# KiCad board KLST_CATERPILLAR.kicad_pcb (continued)
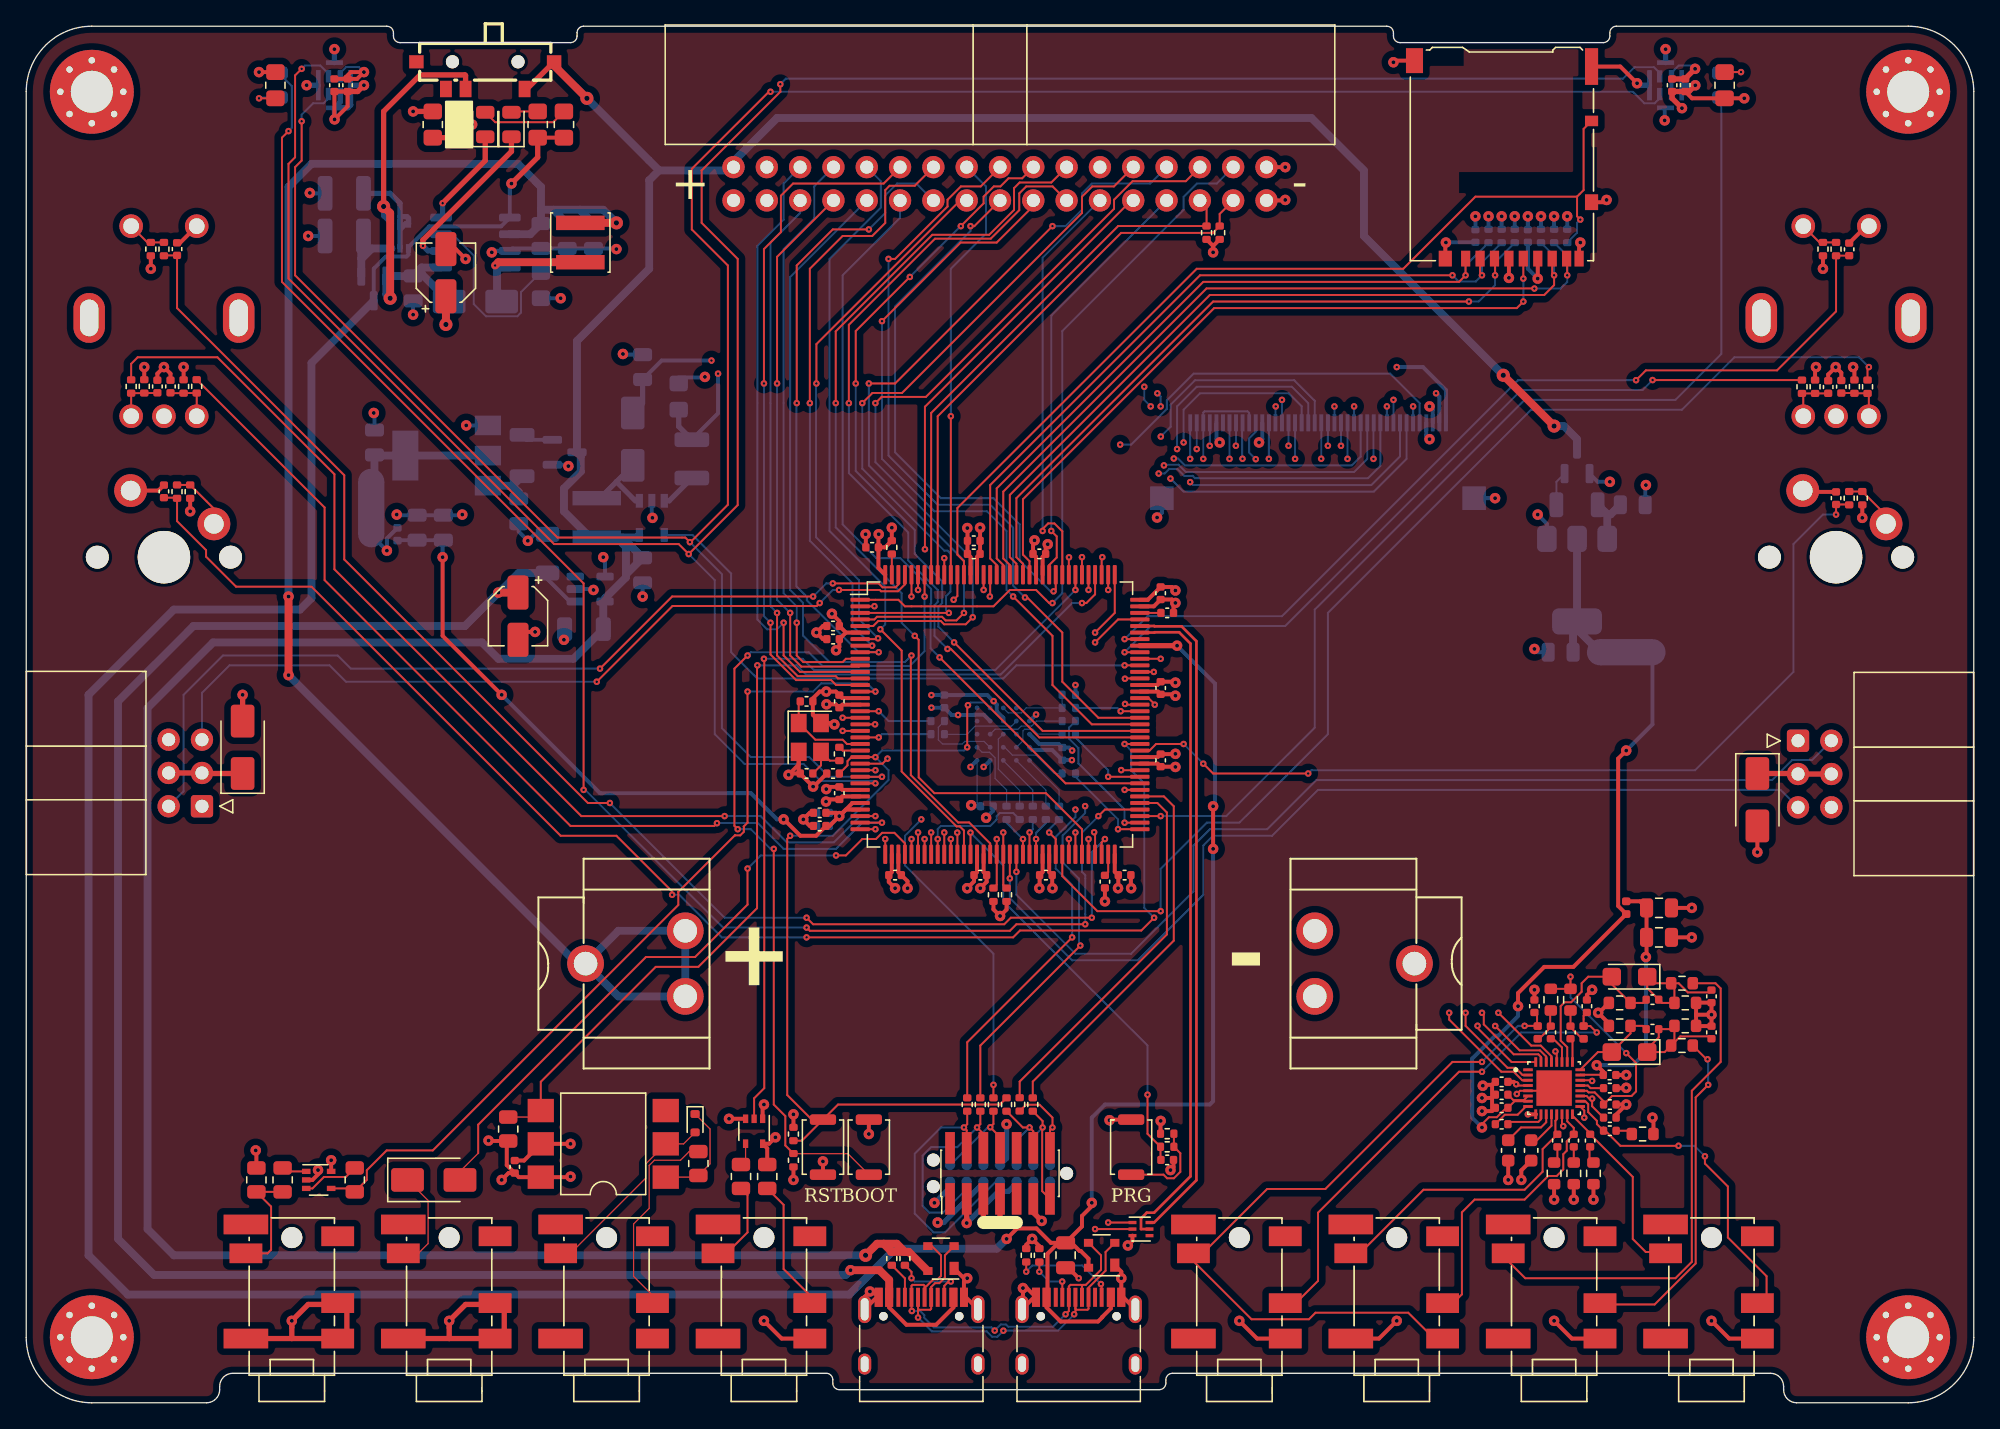
[diagram p0: board, top side]
## Library data of the parts (continued)
U8 = -: Datasheet: http://www.ti.com/lit/ds/symlink/tps2041.pdf; JLCPCB: C51386; ki_fp_filters: SOT?23*
U9 = -: Datasheet: https://www.ti.com/lit/ds/symlink/tlv9001.pdf; JLCPCB: C398362; ki_fp_filters: SOT*353*SC*70*
U10 U11 = -: JLCPCB: C2688664; ki_fp_filters: MP34DT05TR-A_STM
U12 = -: Datasheet: https://www.infineon.com/dgdl/Infineon-S70KL1282_S70KS1282_3.0_V_1.8_V_128_Mb_(16_MB)_HYPERBUS_INTERFACE_HYPERRAM_(SELF-REFRESH_DRAM)-DataSheet-v02_00-EN.pdf?fileId=8ac78c8c7d0d8da4017d0ee9315b7210; Description: S70KL1282GABHV020; JLCPCB: C7428856
U13 = -: JLCPCB: C323845
U14 = -: Datasheet: http://www.advanced-monolithic.com/pdf/ds1117.pdf; Description: 1A Low Dropout regulator, positive, 1.8V fixed output, SOT-223; JLCPCB: C6185; ki_fp_filters: SOT?223*TabPin2*
Y1 = -: Datasheet: https://datasheet.lcsc.com/szlcsc/Yangxing-Tech-X322516MLB4SI_C13738.pdf; Description: 9pF; JLCPCB: C13738; ki_fp_filters: Crystal*

## Footprints (pads in the part's own frame, mm; a bottom-side part is the same pattern mirrored in y, then rotated)
BGA24C100P5X5_600X800X100
  round 0.37 smd: A2(-1,2) A3(0,2) A4(1,2) A5(2,2) B1(-2,1) B2(-1,1) B3(0,1) B4(1,1) B5(2,1) C1(-2,0) C2(-1,0) C3(0,0) C4(1,0) C5(2,0) D1(-2,-1) D2(-1,-1) D3(0,-1) D4(1,-1) D5(2,-1) E1(-2,-2) E2(-1,-2) E3(0,-2) E4(1,-2) E5(2,-2)
C_0402_1005Metric
  rrect 0.56x0.62 smd: 1(-0.48,0) 2(0.48,0)
C_0603_1608Metric
  rrect 0.9x0.95 smd: 1(-0.775,0) 2(0.775,0)
C_0805_2012Metric
  rrect 1x1.45 smd: 1(-0.95,0) 2(0.95,0)
C_1206_3216Metric
  rrect 1.15x1.8 smd: 1(-1.475,0) 2(1.475,0)
CONN-SMD_40P-P0.50-H_THD0525-40CL-GF
  rect 0.3x1.3 smd: 1(-9.75,2.875) 2(-9.25,2.875) 3(-8.75,2.875) 4(-8.25,2.875) 5(-7.75,2.875) 6(-7.25,2.875) 7(-6.75,2.875) 8(-6.25,2.875) 9(-5.75,2.875) 10(-5.25,2.875) 11(-4.75,2.875) 12(-4.25,2.875) 13(-3.75,2.875) 14(-3.25,2.875) 15(-2.75,2.875) 16(-2.25,2.875) 17(-1.75,2.875) 18(-1.25,2.875) 19(-0.75,2.875) 20(-0.25,2.875) 21(0.25,2.875) 22(0.75,2.875) 23(1.25,2.875) 24(1.75,2.875) 25(2.25,2.875) 26(2.75,2.875) 27(3.25,2.875) 28(3.75,2.875) 29(4.25,2.875) 30(4.75,2.875) 31(5.25,2.875) 32(5.75,2.875) 33(6.25,2.875) 34(6.75,2.875) 35(7.25,2.875) 36(7.75,2.875) 37(8.25,2.875) 38(8.75,2.875) 39(9.25,2.875) 40(9.75,2.875)
  rect 1.8x1.8 smd: SH(-11.9,-2.875) SH(11.9,-2.875)
CP_EIA-3216-18_Kemet-A
  rrect 1.4x1.35 smd: 1(-1.35,0) 2(1.35,0)
CP_Elec_4x5.4
  rrect 2.6x1.6 smd: 1(-1.8,0) 2(1.8,0)
Crystal_SMD_3225-4Pin_3.2x2.5mm
  rect 1.4x1.2 smd: 1(-1.1,-0.85) 2(1.1,-0.85) 3(1.1,0.85) 4(-1.1,0.85)
D_SMA
  rrect 2.5x1.8 smd: 1(-2,0) 2(2,0)
D_SOD-523
  rrect 0.6x0.7 smd: 1(-0.7,0) 2(0.7,0)
IDC-Header_2x03_P2.54mm_Horizontal
  rrect 1.7x1.7 hole 1: 1(0,0)
  round 1.7 hole 1: 2(2.54,0) 3(0,-2.54) 4(2.54,-2.54) 5(0,-5.08) 6(2.54,-5.08)
IDC-Header_2x17_P2.54mm_Horizontal
  round 1.7 hole 1: 1(0,0) 2(2.54,0) 3(0,-2.54) 4(2.54,-2.54) 5(0,-5.08) 6(2.54,-5.08) 7(0,-7.62) 8(2.54,-7.62) 9(0,-10.16) 10(2.54,-10.16) 11(0,-12.7) 12(2.54,-12.7) 13(0,-15.24) 14(2.54,-15.24) 15(0,-17.78) 16(2.54,-17.78) 17(0,-20.32) 18(2.54,-20.32) 19(0,-22.86) 20(2.54,-22.86) 21(0,-25.4) 22(2.54,-25.4) 23(0,-27.94) 24(2.54,-27.94) 25(0,-30.48) 26(2.54,-30.48) 27(0,-33.02) 28(2.54,-33.02) 29(0,-35.56) 30(2.54,-35.56) 31(0,-38.1) 32(2.54,-38.1) 33(0,-40.64) 34(2.54,-40.64)
L_0402_1005Metric
  rrect 0.59x0.64 smd: 1(-0.485,0) 2(0.485,0)
L_1206_3216Metric
  rrect 1.05x1.9 smd: 1(-1.575,0) 2(1.575,0)
L_Changjiang_FNR4030S
  rect 1.1x3.7 smd: 1(-1.5,0) 2(1.5,0)
LED_0805_2012Metric
  rrect 0.975x1.4 smd: 1(-0.938,0) 2(0.938,0)
LQFP-144_20x20mm_P0.5mm
  rrect 1.475x0.3 smd: 1(-10.662,8.75) 2(-10.662,8.25) 3(-10.662,7.75) 4(-10.662,7.25) 5(-10.662,6.75) 6(-10.662,6.25) 7(-10.662,5.75) 8(-10.662,5.25) 9(-10.662,4.75) 10(-10.662,4.25) 11(-10.662,3.75) 12(-10.662,3.25) 13(-10.662,2.75) 14(-10.662,2.25) 15(-10.662,1.75) 16(-10.662,1.25) 17(-10.662,0.75) 18(-10.662,0.25) 19(-10.662,-0.25) 20(-10.662,-0.75) 21(-10.662,-1.25) 22(-10.662,-1.75) 23(-10.662,-2.25) 24(-10.662,-2.75) 25(-10.662,-3.25) 26(-10.662,-3.75) 27(-10.662,-4.25) 28(-10.662,-4.75) 29(-10.662,-5.25) 30(-10.662,-5.75) 31(-10.662,-6.25) 32(-10.662,-6.75) 33(-10.662,-7.25) 34(-10.662,-7.75) 35(-10.662,-8.25) 36(-10.662,-8.75) 73(10.662,-8.75) 74(10.662,-8.25) 75(10.662,-7.75) 76(10.662,-7.25) 77(10.662,-6.75) 78(10.662,-6.25) 79(10.662,-5.75) 80(10.662,-5.25) 81(10.662,-4.75) 82(10.662,-4.25) 83(10.662,-3.75) 84(10.662,-3.25) 85(10.662,-2.75) 86(10.662,-2.25) 87(10.662,-1.75) 88(10.662,-1.25) 89(10.662,-0.75) 90(10.662,-0.25) 91(10.662,0.25) 92(10.662,0.75) 93(10.662,1.25) 94(10.662,1.75) 95(10.662,2.25) 96(10.662,2.75) 97(10.662,3.25) 98(10.662,3.75) 99(10.662,4.25) 100(10.662,4.75) 101(10.662,5.25) 102(10.662,5.75) 103(10.662,6.25) 104(10.662,6.75) 105(10.662,7.25) 106(10.662,7.75) 107(10.662,8.25) 108(10.662,8.75)
  rrect 0.3x1.475 smd: 37(-8.75,-10.662) 38(-8.25,-10.662) 39(-7.75,-10.662) 40(-7.25,-10.662) 41(-6.75,-10.662) 42(-6.25,-10.662) 43(-5.75,-10.662) 44(-5.25,-10.662) 45(-4.75,-10.662) 46(-4.25,-10.662) 47(-3.75,-10.662) 48(-3.25,-10.662) 49(-2.75,-10.662) 50(-2.25,-10.662) 51(-1.75,-10.662) 52(-1.25,-10.662) 53(-0.75,-10.662) 54(-0.25,-10.662) 55(0.25,-10.662) 56(0.75,-10.662) 57(1.25,-10.662) 58(1.75,-10.662) 59(2.25,-10.662) 60(2.75,-10.662) 61(3.25,-10.662) 62(3.75,-10.662) 63(4.25,-10.662) 64(4.75,-10.662) 65(5.25,-10.662) 66(5.75,-10.662) 67(6.25,-10.662) 68(6.75,-10.662) 69(7.25,-10.662) 70(7.75,-10.662) 71(8.25,-10.662) 72(8.75,-10.662) 109(8.75,10.662) 110(8.25,10.662) 111(7.75,10.662) 112(7.25,10.662) 113(6.75,10.662) 114(6.25,10.662) 115(5.75,10.662) 116(5.25,10.662) 117(4.75,10.662) 118(4.25,10.662) 119(3.75,10.662) 120(3.25,10.662) 121(2.75,10.662) 122(2.25,10.662) 123(1.75,10.662) 124(1.25,10.662) 125(0.75,10.662) 126(0.25,10.662) 127(-0.25,10.662) 128(-0.75,10.662) 129(-1.25,10.662) 130(-1.75,10.662) 131(-2.25,10.662) 132(-2.75,10.662) 133(-3.25,10.662) 134(-3.75,10.662) 135(-4.25,10.662) 136(-4.75,10.662) 137(-5.25,10.662) 138(-5.75,10.662) 139(-6.25,10.662) 140(-6.75,10.662) 141(-7.25,10.662) 142(-7.75,10.662) 143(-8.25,10.662) 144(-8.75,10.662)
microSD_HC_Hirose_DM3AT-SF-PEJM5
  rect 0.7x1.2 smd: 1(2.775,7.725) 2(1.675,7.725) 3(0.575,7.725) 4(-0.525,7.725) 5(-1.625,7.725) 6(-2.725,7.725) 7(-3.825,7.725) 8(-4.925,7.725) 9(-5.875,7.725)
  rect 1x0.8 smd: 10(-6.825,-2.775)
  rect 1x1.2 smd: 11(-6.825,3.425) 11(4.325,7.725)
  rect 1x2.8 smd: 11(-6.825,-6.925)
  rect 1.3x1.9 smd: 11(6.675,-7.375)
MK-12F03-G015
  round 1 hole 1 unplated: (-2.5,-1.037) (2.5,-1.037)
  rect 1.1x1 smd: 1(-5.25,-1.037) 3(5.25,-1.037)
  rect 0.9x1.25 smd: 1(-3,1.037) 2(1.5,1.037) 3(3,1.037)
MountingHole_3.2mm_M3_Pad_Via
  round 0.8 hole 0.5: 1(-2.4,0) 1(-1.697,1.697) 1(-1.697,-1.697) 1(0,2.4) 1(0,-2.4) 1(1.697,1.697) 1(1.697,-1.697) 1(2.4,0)
  round 6.4 hole 3.2: 1(0,0)
MP34DT05TR-A_STM
  rect 0.406x0.94 smd: 1(-0.45,0.675) 2(-0.45,-0.675) 3(0.45,-0.675) 4(0.45,0.675)
  rect 0.356x2.311 smd: 5(-1.225,0) 5(1.225,0)
  rect 1.295x0.356 smd: 5(0,-1.725) 5(0,1.725)
MY-18650-01
  round 2.8 hole 1.8: 1(-3.8,0) 1(3.799,2.5) 1(3.8,-2.5)
NetTie-2_SMD_Pad2.0mm
  round 2 smd: 1(-2,0) 2(2,0)
PEC11R-4015F-S0024
  oval 2.4x3.8 hole 1.4x2.8: (-5.7,0.25) (5.7,0.25)
  round 1.8 hole 1.2: A(-2.5,-7.25) B(2.5,-7.25) C(0,-7.25) S1(-2.5,7.25) S2(2.5,7.25)
PinHeader_2x07_P1.27mm_Vertical_SMD
  rect 2.4x0.74 smd: 1(-1.95,3.81) 2(1.95,3.81) 3(-1.95,2.54) 4(1.95,2.54) 5(-1.95,1.27) 6(1.95,1.27) 7(-1.95,0) 8(1.95,0) 9(-1.95,-1.27) 10(1.95,-1.27) 11(-1.95,-2.54) 12(1.95,-2.54) 13(-1.95,-3.81) 14(1.95,-3.81)
PJ-316A-6A
  round 1.6 hole 1.6 unplated: (0,-3.35)
  rect 2.5x1.5 smd: R1(-3.5,1.65) R1N(-3.5,-3.45) S(-3.5,4.35) T(3.5,-2.15)
  rect 3.4x1.5 smd: R2(3.5,4.35) TN(3.5,-4.35)
QFN40P400X400X80-33N
  rrect 0.73x0.22 smd: 1(-1.99,1.4) 2(-1.99,1) 3(-1.99,0.6) 4(-1.99,0.2) 5(-1.99,-0.2) 6(-1.99,-0.6) 7(-1.99,-1) 8(-1.99,-1.4) 17(1.99,-1.4) 18(1.99,-1) 19(1.99,-0.6) 20(1.99,-0.2) 21(1.99,0.2) 22(1.99,0.6) 23(1.99,1) 24(1.99,1.4)
  rrect 0.22x0.73 smd: 9(-1.4,-1.99) 10(-1,-1.99) 11(-0.6,-1.99) 12(-0.2,-1.99) 13(0.2,-1.99) 14(0.6,-1.99) 15(1,-1.99) 16(1.4,-1.99) 25(1.4,1.99) 26(1,1.99) 27(0.6,1.99) 28(0.2,1.99) 29(-0.2,1.99) 30(-0.6,1.99) 31(-1,1.99) 32(-1.4,1.99)
  rect 2.7x2.7 smd: 33(0,0)
R_0402_1005Metric
  rrect 0.54x0.64 smd: 1(-0.51,0) 2(0.51,0)
R_0603_1608Metric
  rrect 0.8x0.95 smd: 1(-0.825,0) 2(0.825,0)
R_0805_2012Metric
  rrect 1.025x1.4 smd: 1(-0.912,0) 2(0.912,0)
R_0805_2012Metric_Pad1.20x1.40mm_HandSolder
  rrect 1.2x1.4 smd: 1(-1,0) 2(1,0)
R_1210_3225Metric
  rrect 1.125x2.65 smd: 1(-1.462,0) 2(1.462,0)
SMDIP-6_W9.53mm
  rect 2x1.78 smd: 1(-4.765,2.54) 2(-4.765,0) 3(-4.765,-2.54) 4(4.765,-2.54) 5(4.765,0) 6(4.765,2.54)
SOP-8_3.9x4.9mm_P1.27mm
  rrect 1.65x0.6 smd: 1(-2.625,1.905) 2(-2.625,0.635) 3(-2.625,-0.635) 4(-2.625,-1.905) 5(2.625,-1.905) 6(2.625,-0.635) 7(2.625,0.635) 8(2.625,1.905)
SOT95P280X100-5N
  rect 1.05x0.55 smd: 1(-1.3,0.95) 2(-1.3,0) 3(-1.3,-0.95) 4(1.3,-0.95) 5(1.3,0.95)
SOT-23
  rrect 1.475x0.6 smd: 1(-0.938,0.95) 2(-0.938,-0.95) 3(0.938,0)
SOT-23-5
  rrect 1.325x0.6 smd: 1(-1.137,0.95) 2(-1.137,0) 3(-1.137,-0.95) 4(1.137,-0.95) 5(1.137,0.95)
SOT-143
  rect 0.7x1 smd: 1(-1,0.75)
  rect 0.7x0.6 smd: 2(-1,-0.95) 3(1,-0.95) 4(1,0.95)
SOT-223-3_TabPin2
  rect 2x1.5 smd: 1(-3.15,2.3) 2(-3.15,0) 3(-3.15,-2.3)
  rect 2x3.8 smd: 2(3.15,0)
SOT-223-3_TabPin2#2
  rrect 2x1.5 smd: 1(-3.15,2.3) 2(-3.15,0) 3(-3.15,-2.3)
  rrect 2x3.8 smd: 2(3.15,0)
SOT-353_SC-70-5
  rect 0.65x0.4 smd: 1(-0.95,0.65) 2(-0.95,0) 3(-0.95,-0.65) 4(0.95,-0.65) 5(0.95,0.65)
SOT-363_SC-70-6
  rect 0.65x0.4 smd: 1(-0.95,0.65) 2(-0.95,0) 3(-0.95,-0.65) 4(0.95,-0.65) 5(0.95,0) 6(0.95,0.65)
ST_UQFN-6L_1.5x1.7mm_P0.5mm
  rect 0.6x0.25 smd: 1(-0.65,0.5) 2(-0.65,0) 3(-0.65,-0.5) 4(0.65,-0.5) 5(0.65,0) 6(0.65,0.5)
SW_Cherry_MX_PCB
  round 1.75 hole 1.75 unplated: (-5.08,0) (5.08,0)
  round 4 hole 4 unplated: (0,0)
  round 2.5 hole 1.5: 1(-3.81,2.54) 2(2.54,5.08)
SW_Push_SPST_NO_Alps_SKRK
  rrect 0.8x2 smd: 1(-2.1,0) 2(2.1,0)
TC2070-IDC-NL
  round 0.99 hole 0.99 unplated: (-5.08,0) (5.08,-1.016) (5.08,1.016)
  round 0.787 smd: 1(-3.81,-0.635) 2(-2.54,-0.635) 3(-1.27,-0.635) 4(0,-0.635) 5(1.27,-0.635) 6(2.54,-0.635) 7(3.81,-0.635) 8(3.81,0.635) 9(2.54,0.635) 10(1.27,0.635) 11(0,0.635) 12(-1.27,0.635) 13(-2.54,0.635) 14(-3.81,0.635)
USB_C_Receptacle_HRO_TYPE-C-31-M-12
  round 0.65 hole 0.65 unplated: (-2.89,2.6) (2.89,2.6)
  rect 0.6x1.45 smd: A1(-3.25,4.045) A4(-2.45,4.045) A9(2.45,4.045) A12(3.25,4.045) B1(3.25,4.045) B4(2.45,4.045) B9(-2.45,4.045) B12(-3.25,4.045)
  rect 0.3x1.45 smd: A5(-1.25,4.045) A6(-0.25,4.045) A7(0.25,4.045) A8(1.25,4.045) B5(1.75,4.045) B6(0.75,4.045) B7(-0.75,4.045) B8(-1.75,4.045)
  oval 1x2.1 hole 0.6x1.7: S1(-4.32,3.13) S1(4.32,3.13)
  oval 1x1.6 hole 0.6x1.2: S1(-4.32,-1.05) S1(4.32,-1.05)

## Nets
+1.8V: C84.1 C86.1 L4.1 NT2.1 U13.6 U13.7
+1.8VA: C69.1 C71.1 C85.1 L4.2 U13.23
+3.3V: C6.1 C8.1 C11.1 C14.1 C15.1 C16.1 C17.1 C18.1 C19.1 C20.1 C21.1 C22.1 C23.1 C26.1 C28.1 C29.2 C30.1 C45.1 C50.1 C51.1 C54.1 C55.1 C56.1 C81.1 C82.1 C83.1 C87.1 D3.2 D9.2 D10.2 J1.4 J2.4 J13.1 J14.3 J15.3 L1.1 NT1.1 R3.1 R4.1 R5.1 R6.1 R9.2 R10.1 R12.2 R13.1 R14.1 R15.1 R16.1 R17.1 R26.1 R27.2 R29.1 R32.1 R33.2 R35.1 R37.2 R40.1 R42.1 R50.2 R52.2 R63.2 SW2.2 U2.6 U2.17 U2.30 U2.39 U2.52 U2.62 U2.72 U2.84 U2.95 U2.108 U2.121 U2.131 U2.144 U5.6 U6.5 U9.5 U10.1 U10.2 U11.1 U12.B4 U12.D1 U12.E4 U13.4 U13.19
+3.3VA: C3.1 C4.1 C5.1 C7.1 C10.1 C12.1 L1.2 U2.32 U2.33
+5V: C32.1 C47.1 D13.4 J13.2 L2.2 Q1.3 Q4.3 R45.2 R46.2 SW3.1 U3.5 U8.5
/battery/+5V_OUT: C35.1 C37.1 D7.1 Q2.4 Q3.2 SW3.2 U4.1
/USB/VBUS_HOST_OUT: C48.1 C49.1 J10.A4 J10.A9 J10.B4 J10.B9 U8.1
GND: C1.2 C2.2 C3.2 C4.2 C5.2 C6.2 C7.2 C8.2 C9.1 C10.2 C11.2 C12.2 C13.2 C14.2 C15.2 C16.2 C17.2 C18.2 C19.2 C20.2 C21.2 C22.2 C23.2 C24.2 C25.2 C26.2 C27.2 C28.2 C29.1 C30.2 C31.2 C32.2 C33.2 C34.2 C35.2 C36.2 C37.2 C38.2 C39.2 C40.2 C41.2 C42.2 C43.2 C44.2 C45.2 C46.2 C47.2 C48.2 C49.2 C50.2 C51.2 C52.2 C53.2 C54.2 C55.2 C56.2 C57.1 C58.1 C59.2 C60.1 C67.2 C68.2 C69.2 C71.2 C72.2 C74.2 C81.2 C82.2 C83.2 C84.2 C85.2 C86.2 C87.2 C88.2 C89.2 D12.1 D13.1 H1.1 H2.1 H3.1 H4.1 J1.6 J1.9 J1.11 J2.3 J2.29 J2.36 J2.SH J4.1 J5.1 J5.6 J6.1 J6.6 J8.S J9.A1 J9.A12 J9.B1 J9.B12 J9.S1 J10.A1 J10.A12 J10.B1 J10.B12 J10.S1 J11.R1 J11.R2 J11.S J12.R1 J12.R2 J12.S J13.3 J13.4 J13.24 J13.33 J13.34 J14.5 J14.7 J14.11 J15.5 J15.7 J15.11 J16.S J17.S J18.R2 J19.S Q1.1 Q4.1 R1.1 R2.1 R8.1 R11.1 R18.2 R22.1 R23.1 R24.1 R43.1 R44.1 R47.2 R74.2 R77.2 R78.2 R79.2 R80.2 R81.2 R82.2 R83.2 SW1.1 SW4.C SW4.S1 SW5.C SW5.S1 SW6.2 SW7.2 SW8.2 U1.1 U2.16 U2.31 U2.38 U2.51 U2.61 U2.83 U2.94 U2.107 U2.120 U2.130 U3.2 U4.7 U5.5 U6.1 U6.3 U7.3 U8.2 U8.4 U9.2 U10.5 U11.2 U11.5 U12.B1 U12.B3 U12.C1 U12.E5 U13.5 U13.9 U13.14 U13.17 U13.22 U13.33 U14.1 Y1.2 Y1.4
/ADC_DAC/INPUT_SIGNAL: J12.T R47.1 R48.1
/ADC_DAC/OUTPUT_SIGNAL: D14.1 J11.T
/audio_codec/(LINE_IN_LEFT): J17.T R72.1
/audio_codec/(LINE_IN_RIGHT): J17.R1 R73.1
/audio_codec/(MIC_IN_LEFT): C58.2 FB2.1 J16.T J18.S
/audio_codec/(MIC_IN_RIGHT): C59.1 FB3.1 J16.R1
/audio_codec/HEADPHONE_LEFT: C80.1 J18.T U13.13
/audio_codec/HEADPHONE_RIGHT: C79.1 J18.R1 U13.15
/audio_codec/LINE_IN_LEFT: C63.2 C64.2 R78.1 U13.26
/audio_codec/LINE_IN_RIGHT: C65.2 C66.2 R79.1 U13.24
/audio_codec/LINE_OUT_LEFT: C78.1 J19.T U13.16
/audio_codec/LINE_OUT_RIGHT: C77.1 J19.R1 U13.18
/audio_codec/MIC_BIAS: C74.1 R75.1 R76.1 U13.20
/audio_codec/MIC_IN_LEFT: C61.2 U13.27
/audio_codec/MIC_IN_RIGHT: C62.2 U13.25
/battery/(BAT_PLUS): C33.1 C34.1 C36.1 J3.1 L3.1 U4.6
/battery/(LED_CHRG): D6.1 U4.2
/battery/(LED_STDBY): D5.1 U4.4
/battery/LX: D7.2 L3.2 U4.8
/core/(PWR_LED): D3.1 R8.2
/core/_PDR_ON: R10.2 U2.143
/core/_VCAP_1: C24.1 U2.71
/core/_VCAP_2: C27.1 U2.106
/display/DISPLAY_ANODE_PLUS_22V_OUT: C31.1 D4.1 J2.2
/display/DISPLAY_CATHODE_MINUS_OUT: J2.1 R18.1 R19.1
/MIDI_analog/MIDI_IN_SHIELD(2): J7.S
/MIDI_analog/MIDI_IN_SINK(5): D11.2 J7.T U5.2
/MIDI_analog/MIDI_IN_SOURCE(4): J7.R1 R39.1
/MIDI_analog/MIDI_OUT_SINK(5): J8.T R41.1
/MIDI_analog/MIDI_OUT_SOURCE(4): J8.R1 R40.2
/power/(PWR_1.8V): C89.1 NT2.2 U14.2
/power/(PWR_3.3V): C2.1 NT1.2 U1.2
/power/(PWR_5V_TO_1.8V): C88.1 FB4.1 U14.3
/power/(PWR_5V_TO_3.3V): C1.1 FB1.1 U1.3
/programmer/RST: J14.12 J15.12 R54.1
/programmer/SERIAL_RX: J14.13 J15.13 R58.1
/programmer/SERIAL_TX: J14.14 J15.14 R59.1
/programmer/SWD_CLK: J14.6 J15.6 R55.1
/programmer/SWD_IO: J14.4 J15.4 R56.1
/programmer/SWD_OUT: J14.8 J15.8 R57.1
/USB/USB_CONNECTOR_MINUS: D12.3 D13.3 J9.A7 J9.B7 J10.A7 J10.B7 U7.2
/USB/USB_CONNECTOR_PLUS: D12.2 D13.2 J9.A6 J9.B6 J10.A6 J10.B6 U7.1
_ADC_USR: R49.2 U2.15 U9.4
_AUDIO_CODEC_I2C_SCL: J2.39 R3.2 U2.54 U13.2
_AUDIO_CODEC_I2C_SDA: J2.40 R4.2 U2.55 U13.3
_AUDIO_CODEC_SAI_FS: U2.21 U13.30
_AUDIO_CODEC_SAI_MCLK: U2.19 U13.28
_AUDIO_CODEC_SAI_SCK: U2.20 U13.29
_AUDIO_CODEC_SAI_SD_IN: U2.48 U13.31
_AUDIO_CODEC_SAI_SD_OUT: U2.2 U13.32
_AUDIO_MIC_CLK: U2.28 U10.3 U11.3
_AUDIO_MIC_DATA: U2.29 U10.4 U11.4
_BUTTON_PROGRAMMER: C44.1 R38.1 U2.50
_CARD_SDMMC_CHIP_DETECT: J1.10 R12.1 U2.132
_CARD_SDMMC_CK: J1.5 U2.122
_CARD_SDMMC_CMD: J1.3 R15.2 U2.123
_CARD_SDMMC_D0: J1.7 R14.2 U2.124
_CARD_SDMMC_D1: J1.8 R13.2 U2.125
_CARD_SDMMC_D2: J1.1 R17.2 U2.126
_CARD_SDMMC_D3: J1.2 R16.2 U2.127
_DAC_USR: D14.2 U2.40
_DISPLAY_BACKLIGHT_PWM: U2.98 U3.4
_DISPLAY_LTDC_B0: J2.21 U2.129
_DISPLAY_LTDC_B1: J2.22 U2.114
_DISPLAY_LTDC_B2: J2.23 U2.116
_DISPLAY_LTDC_B3: J2.24 U2.79
_DISPLAY_LTDC_B4: J2.25 U2.65
_DISPLAY_LTDC_B5: J2.26 U2.135
_DISPLAY_LTDC_B6: J2.27 U2.139
_DISPLAY_LTDC_B7: J2.28 U2.140
_DISPLAY_LTDC_CLK: J2.30 U2.92
_DISPLAY_LTDC_DE: J2.34 U2.66
_DISPLAY_LTDC_G0: J2.13 U2.47
_DISPLAY_LTDC_G1: J2.14 U2.46
_DISPLAY_LTDC_G2: J2.15 U2.42
_DISPLAY_LTDC_G3: J2.16 U2.99
_DISPLAY_LTDC_G4: J2.17 U2.69
_DISPLAY_LTDC_G5: J2.18 U2.27
_DISPLAY_LTDC_G6: J2.19 U2.97
_DISPLAY_LTDC_G7: J2.20 U2.93
_DISPLAY_LTDC_HSYNC: J2.32 U2.96
_DISPLAY_LTDC_R0: J2.5 U2.128
_DISPLAY_LTDC_R1: J2.6 U2.36
_DISPLAY_LTDC_R2: J2.7 U2.111
_DISPLAY_LTDC_R3: J2.8 U2.110
_DISPLAY_LTDC_R4: J2.9 U2.41
_DISPLAY_LTDC_R5: J2.10 U2.26
_DISPLAY_LTDC_R6: J2.11 U2.113
_DISPLAY_LTDC_R7: J2.12 U2.68
_DISPLAY_LTDC_VSYNC: J2.33 U2.43
_DISPLAY_ON_OFF: J2.31 J2.38 U2.44
_DISPLAY_TOUCH_INTERRUPT: J2.37 U2.82
_ENCODER_00_A: R25.2 U2.100
_ENCODER_00_B: R30.1 U2.64
_ENCODER_00_BUTTON: C39.1 R28.1 U2.102
_ENCODER_01_A: R31.2 U2.34
_ENCODER_01_B: R36.1 U2.35
_ENCODER_01_BUTTON: C42.1 R34.1 U2.70
_EXT_MEMORY_A0: R66.2 U2.73
_EXT_MEMORY_A1: R65.2 U2.81
_EXT_MEMORY_A2: R64.2 U2.74
_EXT_MEMORY_A3: R67.2 U2.18
_EXT_MEMORY_A4: R68.2 U2.58
_EXT_MEMORY_A5: R71.2 U2.59
_EXT_MEMORY_A6: R70.2 U2.60
_EXT_MEMORY_A7: R69.2 U2.63
_EXT_MEMORY_CHIP_SELECT: R60.1 U2.91
_EXT_MEMORY_CLK: R61.1 U2.22
_EXT_MEMORY_DQS: R62.1 U2.45
_IDC_SERIAL_00_RX: J6.5 U2.141
_IDC_SERIAL_00_TX: J6.2 U2.142
_IDC_SERIAL_01_RX: J5.5 U2.56
_IDC_SERIAL_01_TX: J5.2 U2.57
_LED_00: D1.2 U2.75
_LED_01: D2.2 U2.76
_MECH_BUTTON_00: C52.1 R51.1 U2.85
_MECH_BUTTON_01: C53.1 R53.1 U2.86
_MIDI_ANALOG_IN: R42.2 U2.112 U5.4
_MIDI_ANALOG_OUT: U2.115 U6.2
_RCC_OSC_IN: C9.2 U2.23 Y1.1
_RCC_OSC_OUT: R7.1 U2.24
_SERIAL_DEBUG_RX: R58.2 U2.78
_SERIAL_DEBUG_TX: R59.2 U2.77
_SWD_CLK: R55.2 U2.109
_SWD_IO: R56.2 U2.105
_SWD_OUT: R57.2 U2.133
_USB_DEVICE_HOST_N: U2.103 U7.5
_USB_DEVICE_HOST_P: U2.104 U7.6
_USB_DEVICE_HOST_VBUS: C46.1 D12.4 J9.A4 J9.A9 J9.B4 J9.B9 Q2.1 Q3.3 R20.2 R21.2 U2.101 U4.5
BOOT0: R11.2 SW2.1 U2.138
GPIO_00_PWM: J13.5 U2.13
GPIO_01_PWM: J13.6 U2.12
GPIO_02_PWM: J13.7 U2.11
GPIO_03_PWM: J13.8 U2.10
GPIO_04_ADC: J13.9 U2.53
GPIO_05_ADC: J13.10 U2.49
GPIO_06: J13.11 U2.80
GPIO_07: J13.12 U2.14
GPIO_08: J13.13 U2.9
GPIO_09: J13.14 U2.8
GPIO_10: J13.15 U2.7
GPIO_11: J13.16 U2.134
GPIO_12: J13.17 U2.118
GPIO_13: J13.18 U2.90
GPIO_14: J13.19 U2.89
GPIO_15: J13.20 U2.88
GPIO_16: J13.21 U2.87
GPIO_17: J13.22 U2.67
GPIO_18: J13.23 U2.117
I2C_USR_SCL: J13.31 R5.2 U2.136
I2C_USR_SDA: J13.29 R6.2 U2.137
NRST: C25.1 R9.1 R54.2 SW1.2 U2.25 U12.A4
SERIAL_USR_RX: J13.25 U2.37
SERIAL_USR_TX: J13.27 U2.119
SPI_USR_CS: J13.26 U2.3
SPI_USR_MISO: J13.28 U2.4
SPI_USR_MOSI: J13.30 U2.5
SPI_USR_SCK: J13.32 U2.1
Net-(C13-Pad1): C13.1 R7.2 Y1.3
Net-(C38-Pad1): C38.1 R25.1 R26.2 SW4.B
Net-(C40-Pad1): C40.1 R29.2 R30.2 SW4.A
Net-(C41-Pad1): C41.1 R31.1 R32.2 SW5.B
Net-(C43-Pad1): C43.1 R35.2 R36.2 SW5.A
Net-(C57-Pad2): C57.2 C63.1 C64.1 R72.2 R74.1
Net-(C60-Pad2): C60.2 C65.1 C66.1 R73.2 R77.1
Net-(C61-Pad1): C61.1 FB2.2 R75.2
Net-(C62-Pad1): C62.1 FB3.2 R76.2
Net-(C77-Pad2): C77.2 R80.1
Net-(C78-Pad2): C78.2 R81.1
Net-(C79-Pad2): C79.2 R82.1
Net-(C80-Pad2): C80.2 R83.1
Net-(D1-K): D1.1 R1.2
Net-(D2-K): D2.1 R2.2
Net-(D4-A): D4.2 L2.1 U3.1
Net-(D5-A): D5.2 R20.1
Net-(D6-A): D6.2 R21.1
Net-(D9-K): D9.1 J5.3 J5.4
Net-(D10-K): D10.1 J6.3 J6.4
Net-(D11-K): D11.1 R39.2 U5.1
Net-(J9-CC1): J9.A5 R43.2
Net-(J9-CC2): J9.B5 R44.2
Net-(J10-CC1): J10.A5 R45.1
Net-(J10-CC2): J10.B5 R46.1
Net-(Q1-S): FB1.2 Q1.2
Net-(Q2A-B1): Q2.2 Q2.5 Q2.6 R23.2
Net-(Q2B-C2): Q2.3 Q3.1 R24.2
Net-(Q4-S): FB4.2 Q4.2
Net-(R27-Pad1): R27.1 R28.2 SW4.S2
Net-(R33-Pad1): R33.1 R34.2 SW5.S2
Net-(R37-Pad1): R37.1 R38.2 SW6.1
Net-(R41-Pad2): R41.2 U6.4
Net-(R50-Pad1): R50.1 R51.2 SW7.1
Net-(R52-Pad1): R52.1 R53.2 SW8.1
Net-(U3-FB): R19.2 U3.3
Net-(U4-PROG): R22.2 U4.3
Net-(U9-+): R48.2 U9.1
Net-(U9--): R49.1 U9.3
Net-(U12-CK): R61.2 U12.B2
Net-(U12-CS#): R60.2 R63.1 U12.A3
Net-(U12-DQ0): R66.1 U12.D3
Net-(U12-DQ1): R65.1 U12.D2
Net-(U12-DQ2): R64.1 U12.C4
Net-(U12-DQ3): R67.1 U12.D4
Net-(U12-DQ4): R68.1 U12.D5
Net-(U12-DQ5): R71.1 U12.E3
Net-(U12-DQ6): R70.1 U12.E2
Net-(U12-DQ7): R69.1 U12.E1
Net-(U12-RWDS): R62.2 U12.C3
Net-(U13-CPCA): C70.1 U13.8
Net-(U13-CPCB): C70.2 U13.10
Net-(U13-CPVOUTN): C67.1 U13.12
Net-(U13-CPVOUTP): C68.1 U13.11
Net-(U13-VMIDC): C72.1 U13.21

Pads without a net: J2 35; J7 R1N R2 TN; J8 R1N R2 TN; J9 A8 B8; J10 A8 B8; J11 R1N TN; J12 R1N TN; J14 1 2 9 10; J15 1 2 9 10; J16 R1N R2 TN; J17 R1N R2 TN; J18 R1N TN; J19 R1N R2 TN; SW3 3; U5 3; U7 4; U8 3; U12 A2 A5 B5 C2 C5; U13 1

## Via types
v1: diameter 0.8, hole 0.3, Top to Bottom, 186 vias
v2: diameter 0.5, hole 0.2, Top to Bottom, 275 vias
v3: diameter 1, hole 0.4, Top to Bottom, 8 vias

## Routing (per net, layer and track width the routed paths; a pad name or vN(x,y) marks a point on that pad's centre or on a via; arc(x,y) is an arc through that point)
+1.8V: length 50.5
  Top w0.15: C84.1 113.39,23.09 114.2,23.09 U13.6 ; v1(111,21) 111,21.25 111.53,21.78 112.13,21.78 112.85,22.5 C86.1 113.48,23 U13.7
  Top w0.3: v1(122,49.75) 121.38,49.14 121.38,37.89 L4.1 117.97,33.25 115.75,33.25 113.75,31.25 v1(113.75,30.25)
  Bottom w0.3: v1(122,49.75) 124,51.75 NT2.1 ; v1(113.75,30.25) 113.75,29.5 112.25,28 112,28 110.25,26.25 110.25,21.75 v1(111,21)
+1.8VA: length 19.7
  Top w0.15: U13.23 118.51,25.02 119.98,25.02 120,25 C85.1
  Top w0.3: L4.2 123.05,38.25 C71.1 C69.1 123.55,34.05 v1(123.5,34) ; C85.1 120.25,25.25 v1(119.75,25.75)
  Bottom w0.3: v1(119.75,25.75) 122.5,25.75 123.5,26.75 v1(123.5,34)
+3.3V: length 130.1
  Top w0.15: v2(113.61,24.3) 113.71,24.2 U13.4 ; U13.19 118.98,23.4 119.18,23.2 v2(119.4,23.2) 119.4,22.62 C87.1
  Top w0.3: C83.1 113.43,24.48 v2(113.61,24.3) ; U2.144 64.98,63.68 C23.1 ; 90.5,88.24 v1(90.5,87.75) 90.5,88.24 ; 90.5,88.24 R5.1 ; 90.5,88.24 R6.1 ; v1(36.25,17) 36.77,17.52 C45.1 ; U9.5 v1(23.25,18.5) ; v1(87.62,54.93) 87.56,55 C28.1 86.25,54.75 U2.95 ; U2.72 83,40.5 83.25,40.25 C18.1 83.27,39.27 v1(83.25,39.25) ; v1(65,66.25) 64.98,66.23 C23.1 ; v1(67.2,39.25) 67.2,39.78 C11.1 66.5,40.48 U2.39 ; C45.1 37.56,17.21 U5.6 41.46,17.21 v1(41.5,17.25) ; C45.1 36.64,18.13 36.64,19.86 R42.1 35.28,19.97 v1(35.25,20) ; U2.84 86.27,49.25 C19.1 87.6,49.48 v1(87.62,49.5) ; R35.1 v1(12,79) ; R9.2 v1(58.5,22) ; v1(61.75,57.4) 62,57.65 C16.1 62.5,58.75 ; U2.30 62.23,46.75 C8.1 61.17,46.98 v1(61,46.81) ; R33.2 v1(9.5,86.5) ; R29.1 139.4,78.9 v1(139.3,79) ; R26.1 136.4,78.93 v1(136.47,79) ; v1(57.12,20.25) 56.64,19.76 U6.5 56.5,19.41 R40.1 ; 62.5,58.75 U2.6 ; 62.5,58.75 C17.1 62,59.62 v1(61.43,60.18) ; C23.1 65.49,65.25 R10.1 v1(66,66.75) ; v1(87.62,61.96) 87.35,62.23 C20.1 85.52,61.25 U2.108 ; v1(78.25,39.25) 78.23,39.27 C15.1 78,40.48 U2.62 ; R37.2 86.49,21.49 v1(86.5,21.5) ; R3.1 73.75,37.63 v1(74.25,37.13) 74.75,37.62 R4.1 ; R52.2 v1(12.5,68) ; v1(71.76,66.72) 71.77,66.71 C26.1 C22.1 72,64.52 U2.131 ; C81.1 25.23,100.98 v1(25.75,101.5) 24.75,101.5 24.23,100.98 C82.1 ; SW2.2 v1(64.25,20.5) ; J1.4 113.06,85.81 v1(113.05,85.8) ; v1(61.02,53.28) 61.72,53.28 61.98,53.02 C6.1 62.23,53.25 U2.17 ; v1(76.88,65.78) 76.77,65.67 C21.1 77,64.52 U2.121 ; R50.2 v1(140,67.5) ; D9.2 v1(132,42) ; R32.1 v1(9,79) ; v1(72.75,39.25) 73.23,39.73 C14.1 73,40.48 U2.52 ; R27.2 v1(137,86.5)
  Top w0.4: D3.2 33.94,97.5 v1(34,97.5) ; C50.1 C51.1 126.5,101 v1(127.25,101.75) ; D10.2 v1(16.5,54) ; J14.3 v1(71.71,13.71)
  Bottom w0.09: U12.E4 73.5,45.72 73.73,45.49
  Bottom w0.15: U11.1 23.95,101.45 24.38,101.88 25.37,101.88 v1(25.75,101.5) ; v1(127.25,101.75) 127,102 126,102 125.45,101.45 U10.1
  Bottom w0.3: v2(80,54.75) 80.01,54.74 R63.2 ; NT1.1 26.31,66.19 v1(27.5,65) 27.5,65.93 L1.1 ; v1(73.19,44.62) 73.73,45.16 C54.1 ; R16.1 v1(112.5,90.5) ; v2(73,48.5) U12.E4 ; C29.2 v1(114.5,90.5) ; U12.B4 73.02,52.48 72.3,52.48 72.27,52.46 v2(71.06,52.46) 70.56,52.46 C55.1 v2(69.02,53.02) ; v2(79.73,49.02) C56.1 78.22,49.8 76.7,49.8 U12.D1 ; J2.4 106.75,73.75 v1(107,73.5) ; R13.1 v1(116.5,90.5) ; U10.2 U10.1 ; R12.2 v1(117.5,90.5) ; R17.1 v1(111.5,90.5) ; C30.1 v1(110.5,90.5) ; R14.1 v1(115.5,90.5) ; R15.1 v1(113.5,90.5)
  Bottom w0.4: 75.52,16.76 74.88,16.12 74.12,16.12 v1(71.71,13.71)
+3.3VA: length 54.9
  Top w0.3: v1(62,44.75) 61.25,44 C12.1 60.23,43.25 59.03,43.25 57.78,44.5 v1(57.75,44.5) ; v1(62,44.75) 62.5,45.25 U2.33 ; v1(62,44.75) 63,45.75 U2.32 ; v1(62,44.75) 61.75,45 C10.1 ; v1(36.25,54) 31.75,58.5 v1(31.75,64.5)
  Bottom w0.3: v1(36.25,54) 43.75,46.5 55.25,46.5 57.25,44.5 v1(57.75,44.5) ; L1.2 28.34,65.8 C3.1 C4.1 31.75,65.75 v1(31.75,64.5) ; C5.1 61.98,44.75 v1(62,44.75) 61.75,45 C7.1
+5V: length 292.7
  Top w0.4: SW3.1 38.18,100.21 SW3.1
  Top w0.6: R46.2 66.38,12.13 65.38,12.13 ; R46.2 67.29,11.51 D13.4 ; R46.2 R45.2 65.38,12.13 ; SW3.1 40.25,102 v3(42.75,99.5) ; 65.38,12.13 64.88,12.13 v3(64,11.25) ; v3(116.5,74.5) v3(112.62,78.38)
  Bottom w0.6: L2.2 45.45,66 C32.1 45.72,63.17 ; L2.2 45,66 45.72,65.28 45.72,63.17 ; L2.2 46.55,66 U3.5 ; L2.2 43,66 41,68 41,69.75 42.29,71.04 42.29,72.2 Q1.3 41.99,80.99 47.5,86.5 47.5,93.25 48.25,94 ; v3(42.75,99.5) 48.25,94 ; J13.2 53.68,94 48.25,94 ; v3(116.5,74.5) 117.25,74.5 118.25,73.5 Q4.3 ; v3(112.62,78.38) 102,89 102,94 98,98 57.25,98 54,94.75 ; 45.72,63.17 45.72,62.95 44.14,61.37 U8.5 44,60.98 C47.1 41.73,56.75 36,56.75 34.75,58 14.25,58 9.25,53 9.25,13.25 11.25,11.25 v3(64,11.25)
/battery/+5V_OUT: length 38.2
  Top w0.4: v3(27.25,91.25) 27.25,98.5 30.04,101.29 33.45,101.29 33.5,101.24 SW3.2
  Top w0.6: v3(27.25,91.25) 27.75,90.75 v3(27.75,84.25) ; C37.1 v3(32,82.25)
  Bottom w0.4: v3(27.25,91.25) 27.25,90.55 Q2.4
  Bottom w0.6: 30.14,86.59 C35.1 29.49,85.94 Q3.2 27.45,84.55 v3(27.75,84.25) ; 30.14,86.59 U4.1 ; 30.14,86.59 30.14,86.11 D7.1 32,83.75 v3(32,82.25)
/USB/VBUS_HOST_OUT: length 152.4
  Top w0.3: J10.A9 70.7,7.27 69.38,5.95 67.12,5.95 65.8,7.27 J10.A4
  Top w0.6: J10.A4 65.8,9.37 65.06,10.11 v1(62.85,10.11) ; C49.1 v1(36,61.8)
  Bottom w0.3: 39.75,63.07 C48.1 39.75,62.82 41.45,61.12 U8.1 41.51,61.12
  Bottom w0.6: v1(62.85,10.11) 62.49,9.75 9.75,9.75 7,12.5 7,53.5 12.75,59.25 33.45,59.25 v1(36,61.8) 36.05,61.8 37.54,63.29 C48.1
GND: length 331.1
  Top w0.15: 115.7,23.8 114.7,23.8 ; U13.22 119.35,24.6 v2(119.4,24.55) ; v2(118.8,21.75) 118.8,22.29 U13.17 ; U13.14 117.1,21.2 v2(117.2,21.1) ; 113.75,23.65 113.65,23.65 v2(113.65,23.56) 113.9,23.8 U13.5
  Top w0.3: C69.2 v1(127,35.5) ; 132.45,4.9 129.85,4.9 v1(128.5,6.25) ; U2.38 66,40.48 C11.2 65.77,39.73 v1(66.25,39.25) ; C13.2 58.9,48.12 Y1.2 58.9,48.67 v1(58.12,47.9) 58.22,48 C13.2 ; C13.2 59.02,47.98 v1(60,47) 60.04,47 C25.2 ; J1.11 108.21,88.45 v1(108.25,88.5) ; v1(60.98,45.86) 61.14,46.02 C8.2 62.23,46.25 U2.31 ; 111.77,24.25 111.13,24.25 v1(111.06,24.19) ; 111.77,24.25 112,24.48 C83.2 ; 111.77,24.25 111.77,23.25 ; C10.2 59.75,45 v1(59.25,44.5) 59.75,44 C12.2 ; 127.4,29.6 v1(128.5,29.6) 128.5,29.75 ; 127.4,29.6 127.32,29.67 R74.2 127.34,30.52 C57.1 128.5,29.75 ; 127.4,29.6 127.32,29.53 R77.2 127.34,28.73 C60.1 128.5,29.75 ; v1(104.5,6.25) 103.15,4.9 100.3,4.9 ; C87.2 121.23,21.98 v1(122,22.75) C74.2 ; C71.2 v1(127,37.75) ; U7.3 84.35,12.35 v1(84,12) ; U2.107 85.98,60.75 C20.2 87.36,61.27 v1(87.62,61.01) 87.48,60.86 C27.2 ; v1(114,17) 114,17.72 C67.2 ; v1(131,99.5) R1.1 127.02,99.5 C51.2 ; v1(77.25,39.25) 77.27,39.27 C15.2 77.5,40.48 U2.61 ; v1(120.5,91.75) 120.32,91.58 J1.11 ; v1(104.25,102.25) 104.38,102.38 J1.11 ; C18.2 84.23,39.27 v1(84.25,39.25) ; R47.2 17.55,19.2 v1(17.5,19.25) ; R81.2 v1(119.5,15.5) ; R78.2 119.93,29.75 v1(119.86,29.75) 120.68,28.93 R79.2 ; SW7.2 135.56,69.48 C52.2 ; R11.1 v1(58.5,17) ; C37.2 32.75,88 v1(33.5,87.25) ; 111.77,23.25 111.77,22.25 v1(111,22.25) ; 111.77,23.25 v1(111,23.25) ; C17.2 60.75,59.25 v1(60.25,58.75) 60.75,58.25 C16.2 ; C58.1 v1(115,31.5) ; v1(38.8,58.8) 38.1,58.8 C49.2 ; v1(115.25,85.75) 115.25,85.75 J1.6 ; J1.9 118.41,88.41 v1(118.5,88.5) ; C43.2 11,78.5 v1(10.5,79) 10,78.5 C41.2 ; SW4.S1 140.29,89.75 C39.2 ; U6.1 56.15,22.65 ; v1(87.25,17.75) 87.48,17.98 C44.2 ; U2.51 72.5,40.48 C14.2 72.27,39.77 v1(71.75,39.25) ; v1(22.25,17.75) 22.25,17.43 21.83,17 U9.2 ; R43.1 77.25,11.95 v1(76.7,12.5) 76.25,12.05 R44.1 ; C59.2 119,31.1 v1(119.4,31.5) ; C53.2 10.08,69.58 SW8.2 ; v1(56.25,6.25) 57.6,4.9 60.45,4.9 ; SW5.S1 11.73,88.48 C42.2 ; U6.3 v1(53.59,21.66) ; v1(96,91.75) 95.96,91.71 J13.33 ; SW6.2 82.64,21.6 v1(82.6,21.56) ; R2.1 v1(17.75,101.5) ; v1(122.82,100.65) 121.55,101.92 J1.11 ; v1(64,66.25) 64.02,66.23 C23.2 ; v1(41.5,19.75) U5.5 37.97,18.48 C45.2 ; 121.23,25 v1(122,25) ; U13.33 115.8,24 115.6,23.8 ; v1(87.62,53.93) 87.52,54.04 C28.2 86.29,54.25 U2.94 ; v1(113,17) C68.2 ; U2.16 62.23,53.75 C6.2 61.73,54.25 v1(61,54.25) 60.5,54.25 59.98,53.73 C9.1 59.98,52.47 Y1.4 61.51,51.85 v1(61.62,51.74) ; J10.S1 71.66,8.04 J10.A12 71.5,9.25 v1(71.75,9.5) 71.5,9.5 D13.1 ; R83.2 v1(116.5,15.5) ; C40.2 138.4,78.57 v1(137.97,79) 137.4,78.43 C38.2 ; v1(72.73,66.75) C26.2 C22.2 72.5,64.52 U2.130 ; R80.2 124.07,21.68 v1(124,21.75) ; v1(122,24.03) 121.97,24 C72.2 ; D12.1 83.5,10 v1(83.5,9.5) J9.A12 83.66,8.04 J9.S1 ; 120.45,4.9 117.85,4.9 v1(116.5,6.25) ; 115.09,22.01 115.09,22 115.09,22 v2(114.5,22) ; v1(77.89,65.49) 77.73,65.33 C21.2 77.5,64.52 U2.120 ; J13.34 v1(96,94.25) ; C24.2 v1(82.25,38.25) ; C46.2 79.45,10.3 v2(80.25,9.5) ; v1(87.62,48.5) 87.6,48.52 C19.2 86.27,48.75 U2.83 ; v1(92.5,6.25) 93.85,4.9 96.7,4.9 ; R82.2 v1(118,15.5) ; SW1.1 v1(60.75,18.41) ; 63.93,8.09 v1(64.33,8.49) 64.56,8.49 J10.A1 64.84,8.04 J10.S1 63.93,8.09 ; 76,7.2 J9.S1 76.84,8.04 J9.A1 76.3,8.75 v1(76,8.75) 76,7.2 ; C82.2 23.5,97.9 v1(23.51,97.89) 24.5,98.88 C81.2 C82.2
  Top w0.4: 16.05,4.9 20.25,4.9 ; 20.25,4.9 24.45,4.9 24.45,7.5 21.5,7.5 v1(20.25,6.25) 20.25,4.9 ; 32.25,4.9 36.45,4.9 36.45,7.5 33.5,7.5 v1(32.25,6.25) 32.25,4.9 ; 32.25,4.9 28.05,4.9 ; v1(127.26,100.49) 126.79,100.02 C51.2 C50.2 125.5,99.5 v1(126.25,98.75) ; R8.1 v1(29.5,98.5) ; J14.7 v1(74.25,13.75) ; C81.2 25.27,100.02 v1(25.75,100.5) ; J14.11 76.79,14.51 v1(77.43,13.87) ; J14.5 72.98,13.79
  Bottom w0.09: 72.77,45.49 72.5,45.76 72.5,48.98
  Bottom w0.3: v1(72.05,45.58) 72.13,45.5 C54.2 ; J2.SH v1(112,69) ; v1(33.25,67.75) 33.2,67.7 C4.2 C3.2 28.3,67.7 v1(28.25,67.75) ; v1(47.75,67.5) 47.7,67.55 U3.2 ; v2(69.02,53.98) C55.2 73.29,53.98 73.76,53.51 73.76,53.51 ; v1(43.25,62) 43.18,62.07 U8.2 ; J2.SH 86.6,67.9 v1(86.23,67.52) ; v1(94,73.25) 94.25,73.5 J2.29 ; C35.2 v1(29.5,83) ; v1(21.62,92.28) 21.66,92.25 R23.1 ; R22.1 v1(40.75,84.25) ; v1(108.25,88.5) 108.27,88.52 C30.2 ; C29.1 114.5,86.5 v1(115.25,85.75) ; v1(44,64.5) 44.14,64.36 U8.4 ; 73.76,53.51 74,53.27 74,52.75 74.5,52.25 U12.B3 ; 73.76,53.51 73.77,53.52 v2(73.77,53.52) ; v1(115,57.5) 115.25,57.25 C89.2 ; J2.36 90.75,73.5 v1(91,73.25) ; v1(45.5,80) 45.55,79.95 C31.2 ; v1(35.5,87.75) 35.61,87.86 U4.7 37.06,88.05 C33.2 C34.2 C36.2 44.95,88.05 v1(45,88) ; v2(79.75,49.75) 79.52,49.98 C56.2 78.73,50.25 77.25,50.25 U12.C1 ; v2(72,48.5) U12.E5 ; U12.B1 v2(77,52.5) ; C48.2 38.74,66.24 v1(38.25,65.75) 37.56,66.44 C1.2 ; v1(115.25,67.75) 115.95,67.05 U14.1 ; Q1.1 41.23,71.55 v1(41.34,71.45) ; C7.2 59.75,45 v1(59.25,44.5) 59.75,44 C5.2 ; v1(123.5,70) 123.45,69.95 C88.2 ; v1(26.5,75.5) 26.56,75.44 C2.2 ; v1(107,76) 107.25,75.75 J2.3 ; v1(51.75,78.25) 51.71,78.21 49.75,78.21 ; Q4.1 119.82,70.25 v1(120.75,70.25) ; C47.2 41.05,58.25 v1(41,58.2) ; v1(124.93,97.82) 124.93,98.71 U10.5 ; R24.1 v1(21.5,89) ; C32.2 v1(47,61.5) ; 35.2,74.55 v1(33.55,74.55)
  Bottom w0.4: v1(122.82,100.65) 122.97,100.5 U10.5 ; U10.5 v1(125,103.25) ; v1(23.51,97.89) 23.5,97.9 U11.5 ; v1(69.5,13.75) 69.97,13.75 72.98,16.76 ; U11.5 24.53,98.78 24.75,99 24.72,99.03 U11.5 v1(25.75,100.5) ; U11.5 23.95,99.22 U11.2 ; v1(69.25,15.25) 69.27,15.25 70.44,16.42 70.44,16.76 ; U11.5 v1(21.38,100.5) ; 74.25,18.24 74.35,18.24 74.75,18.63 v1(74.75,21.25) ; U10.5 126.23,100.49 v1(127.26,100.49) ; U11.5 v1(23.5,103.25)
  vias: v1(56.25,22.75) v1(73,13.75)
